# Altium PCB PCB_V2.0.PcbDoc
Units mil, origin at the board's own origin, x right, y up, seen from the top; angles counter-clockwise.
Board outline 1968.5 x 2362.2 mil, 4 copper layers (Top Layer, GND, VCC, Bottom Layer), stack 23.756 mil thick; 70 components, 46 nets, 287 pads, 117 vias.
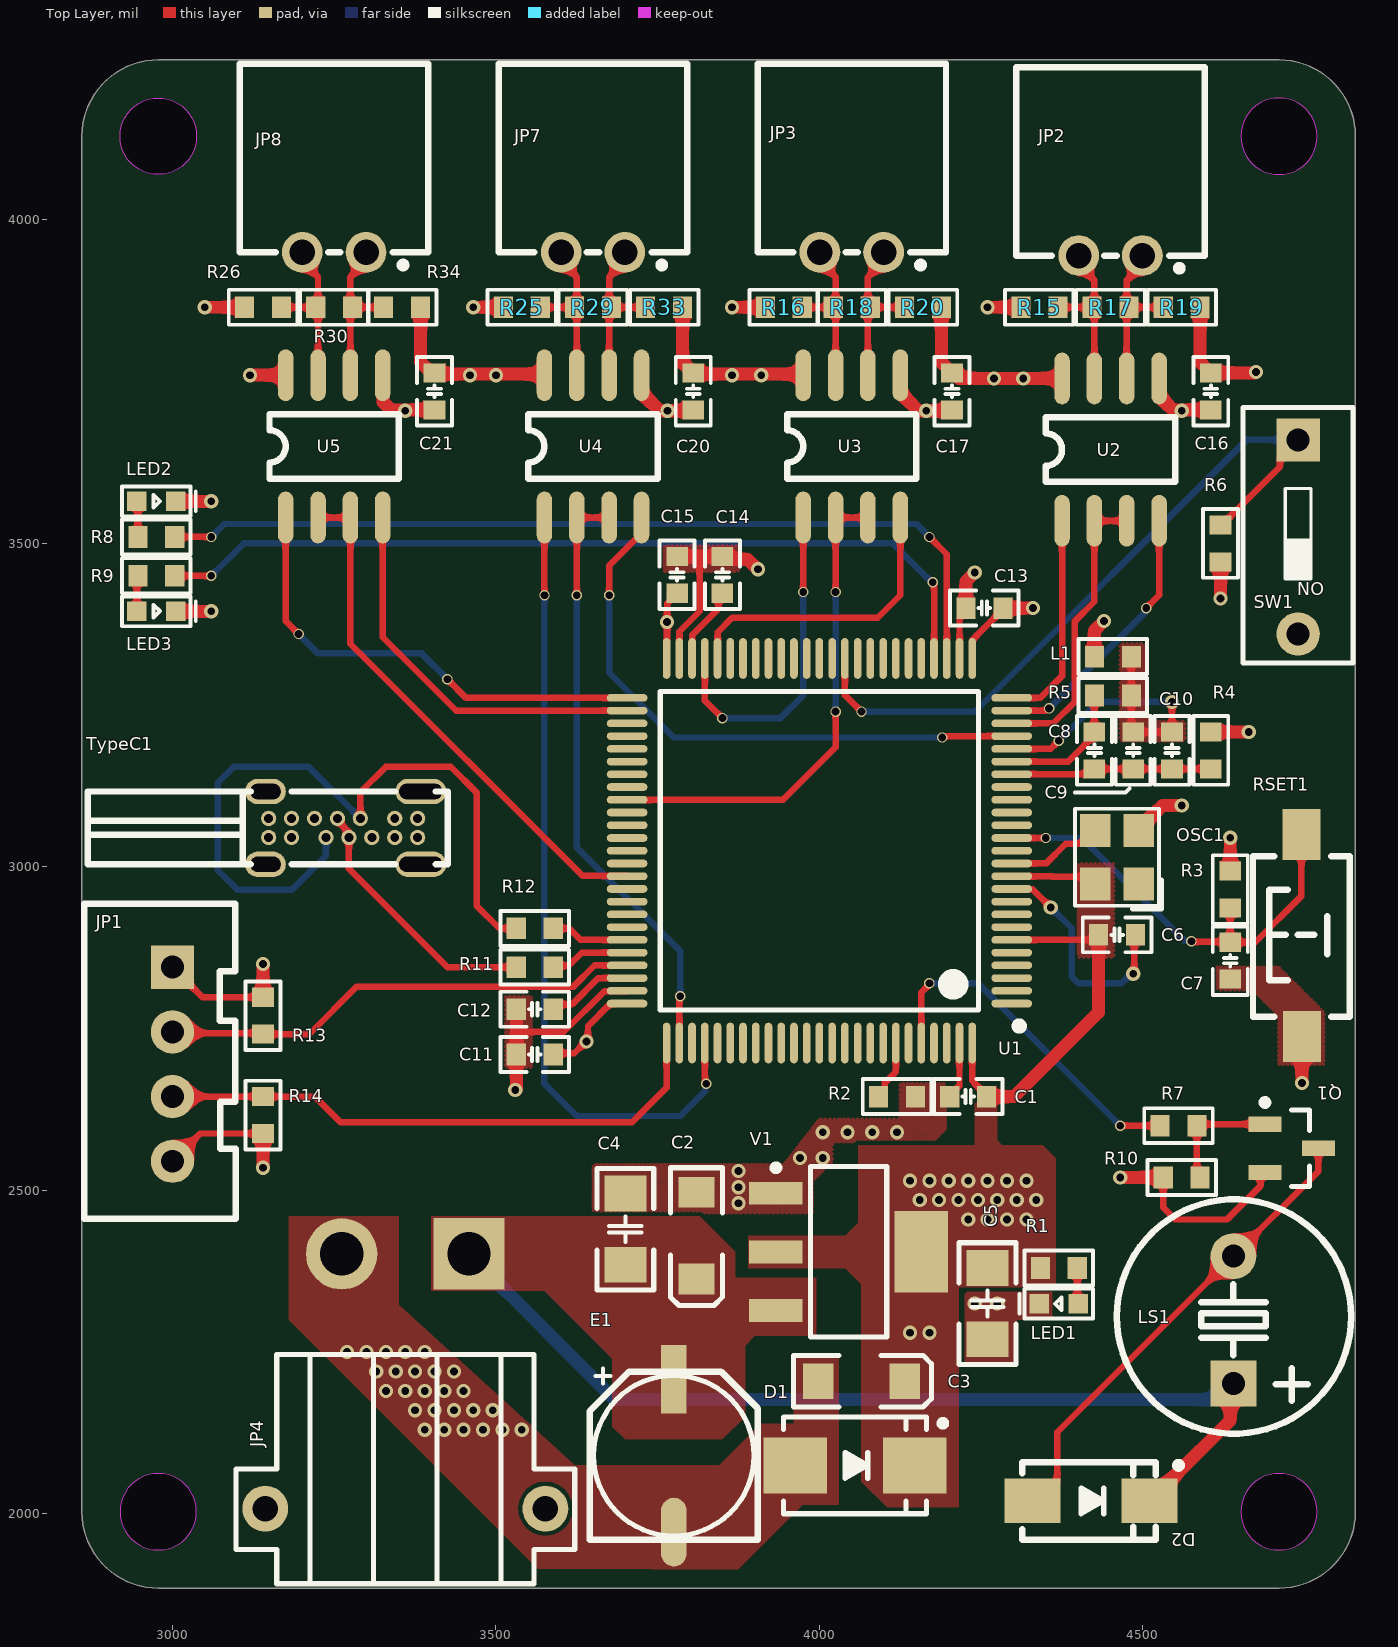
[diagram p0: Top Layer view]
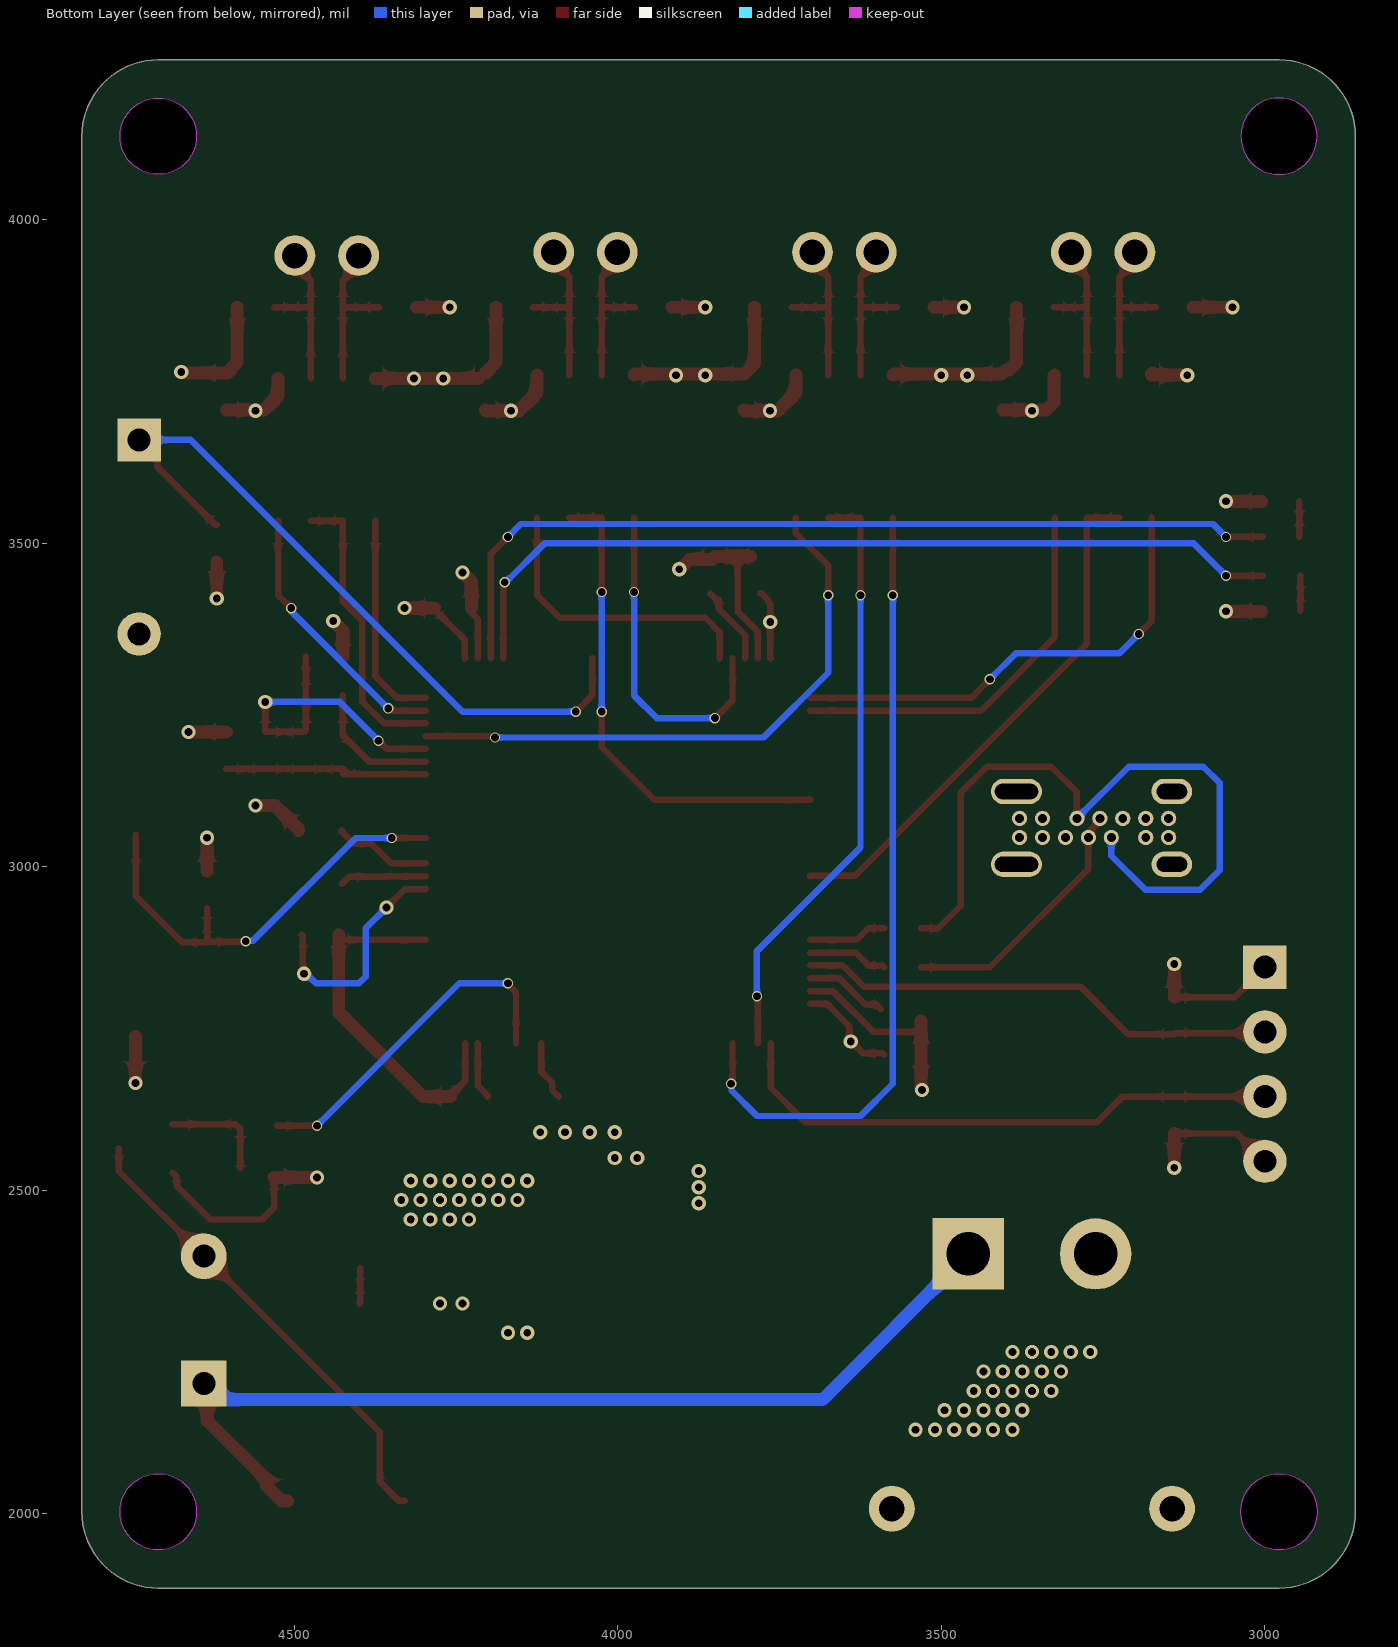
[diagram p1: Bottom Layer view, seen from below]
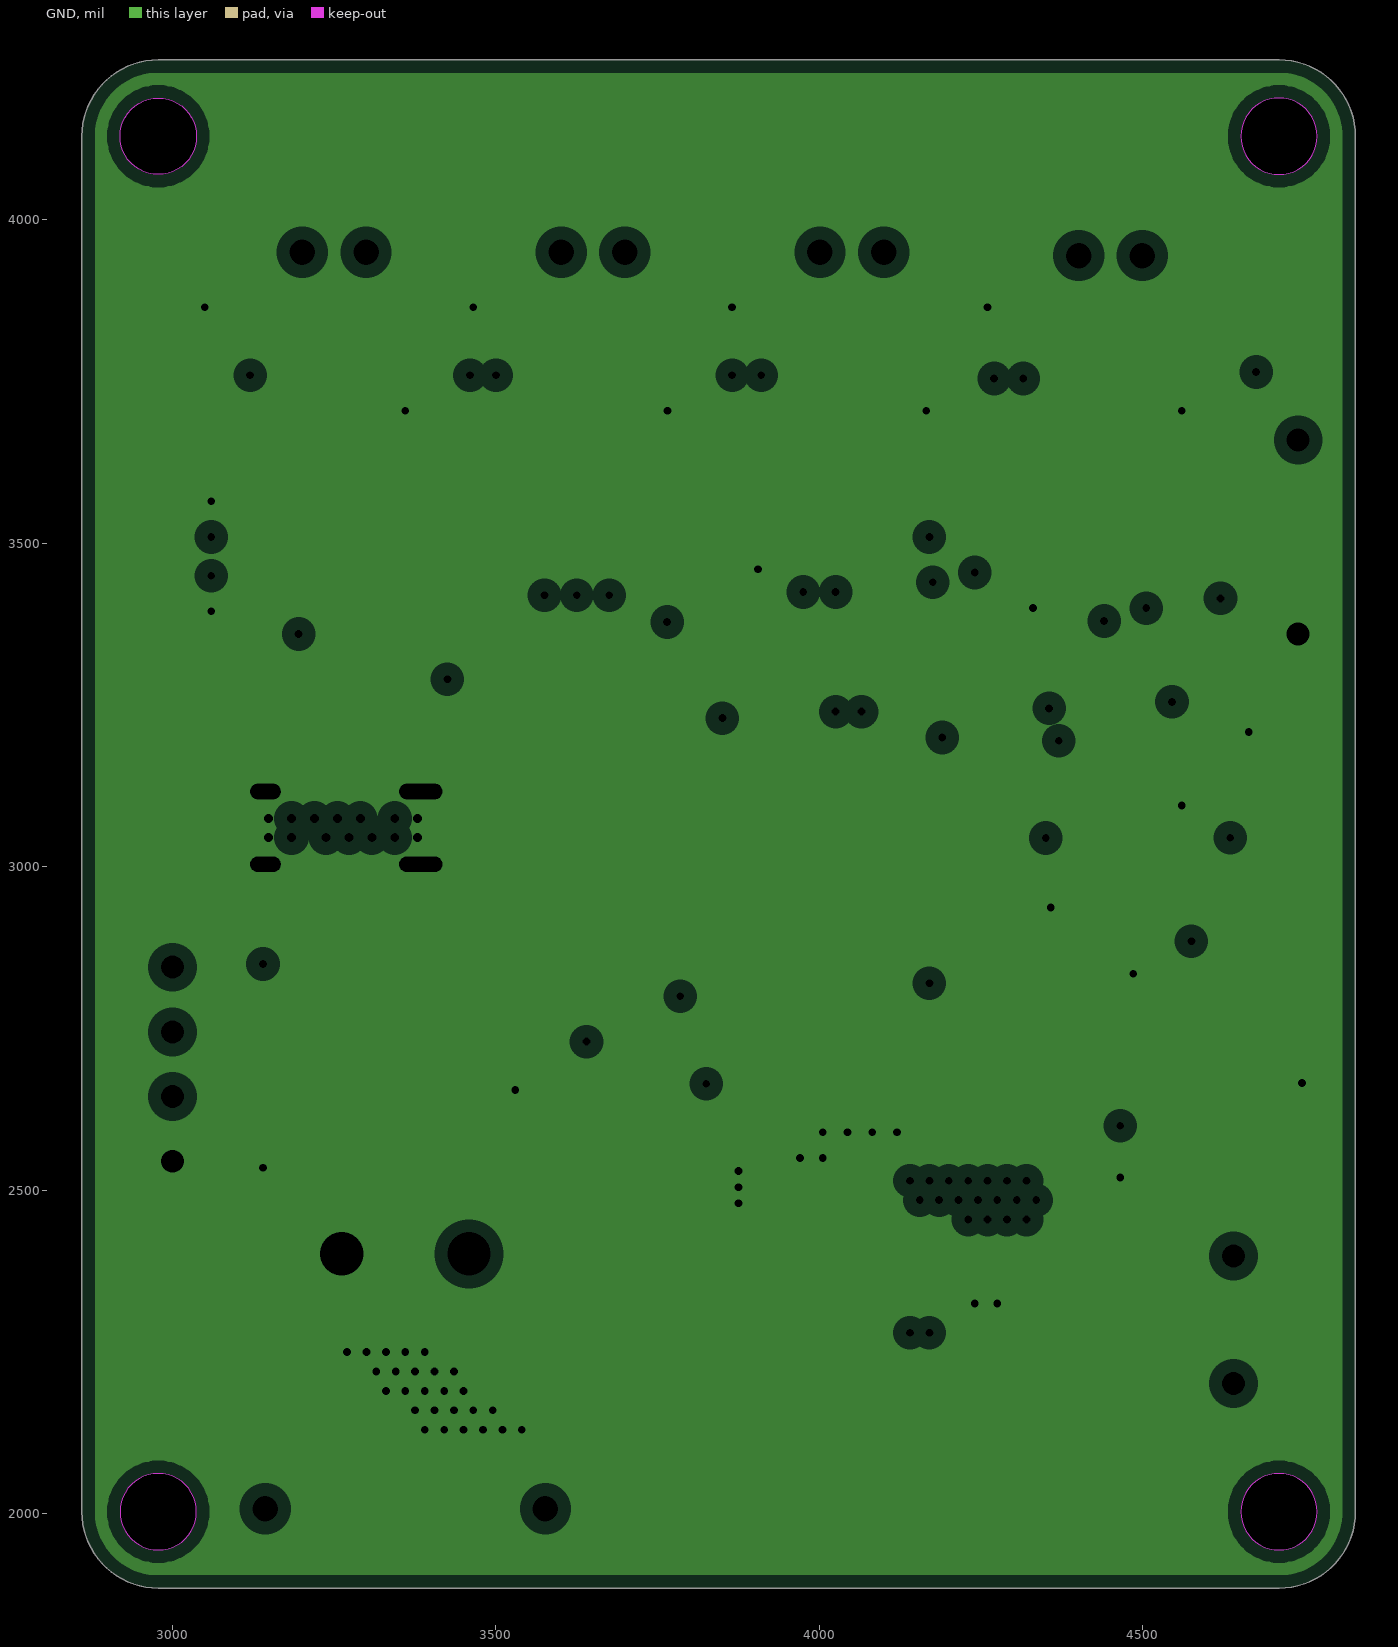
[diagram p2: GND, clearances drawn from the general rule]
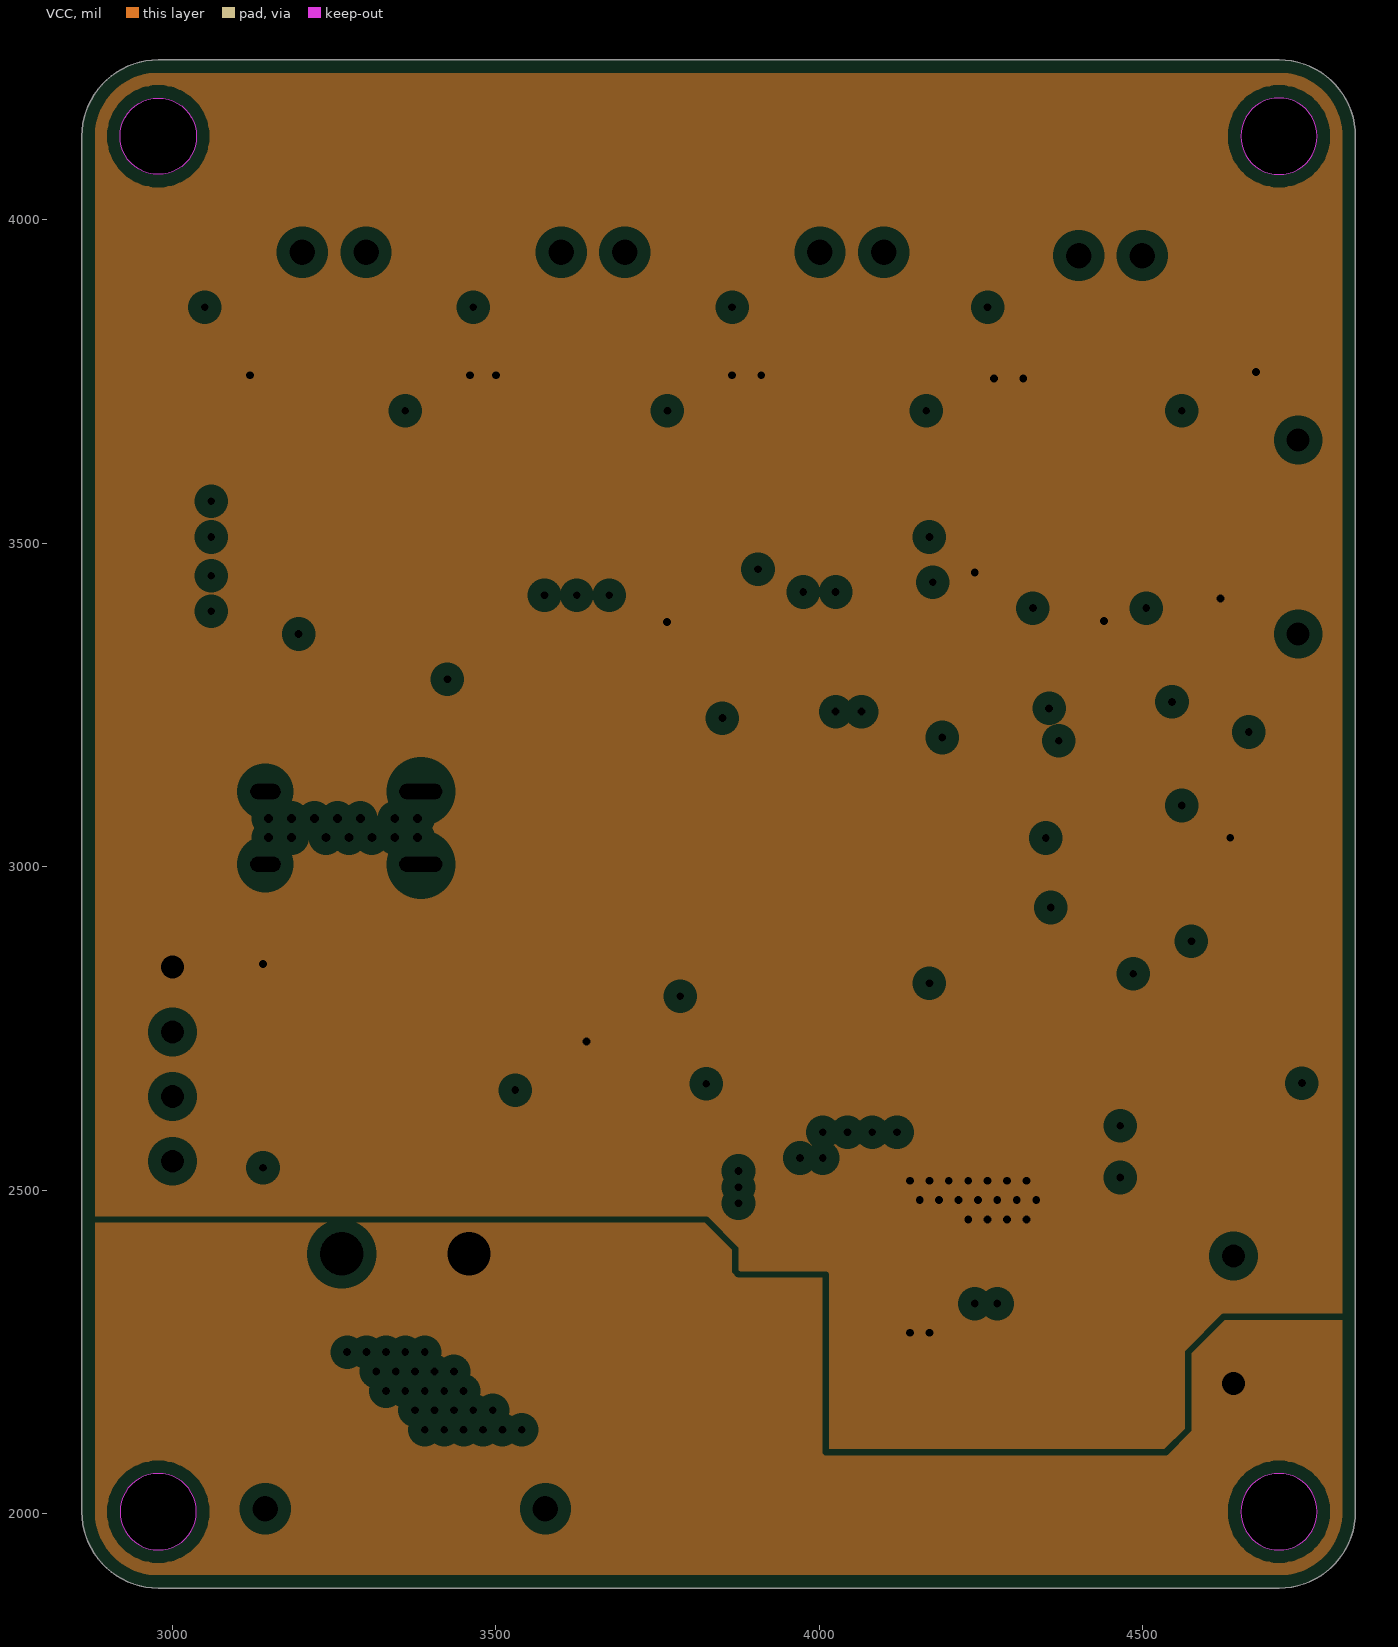
[diagram p3: VCC, clearances drawn from the general rule]
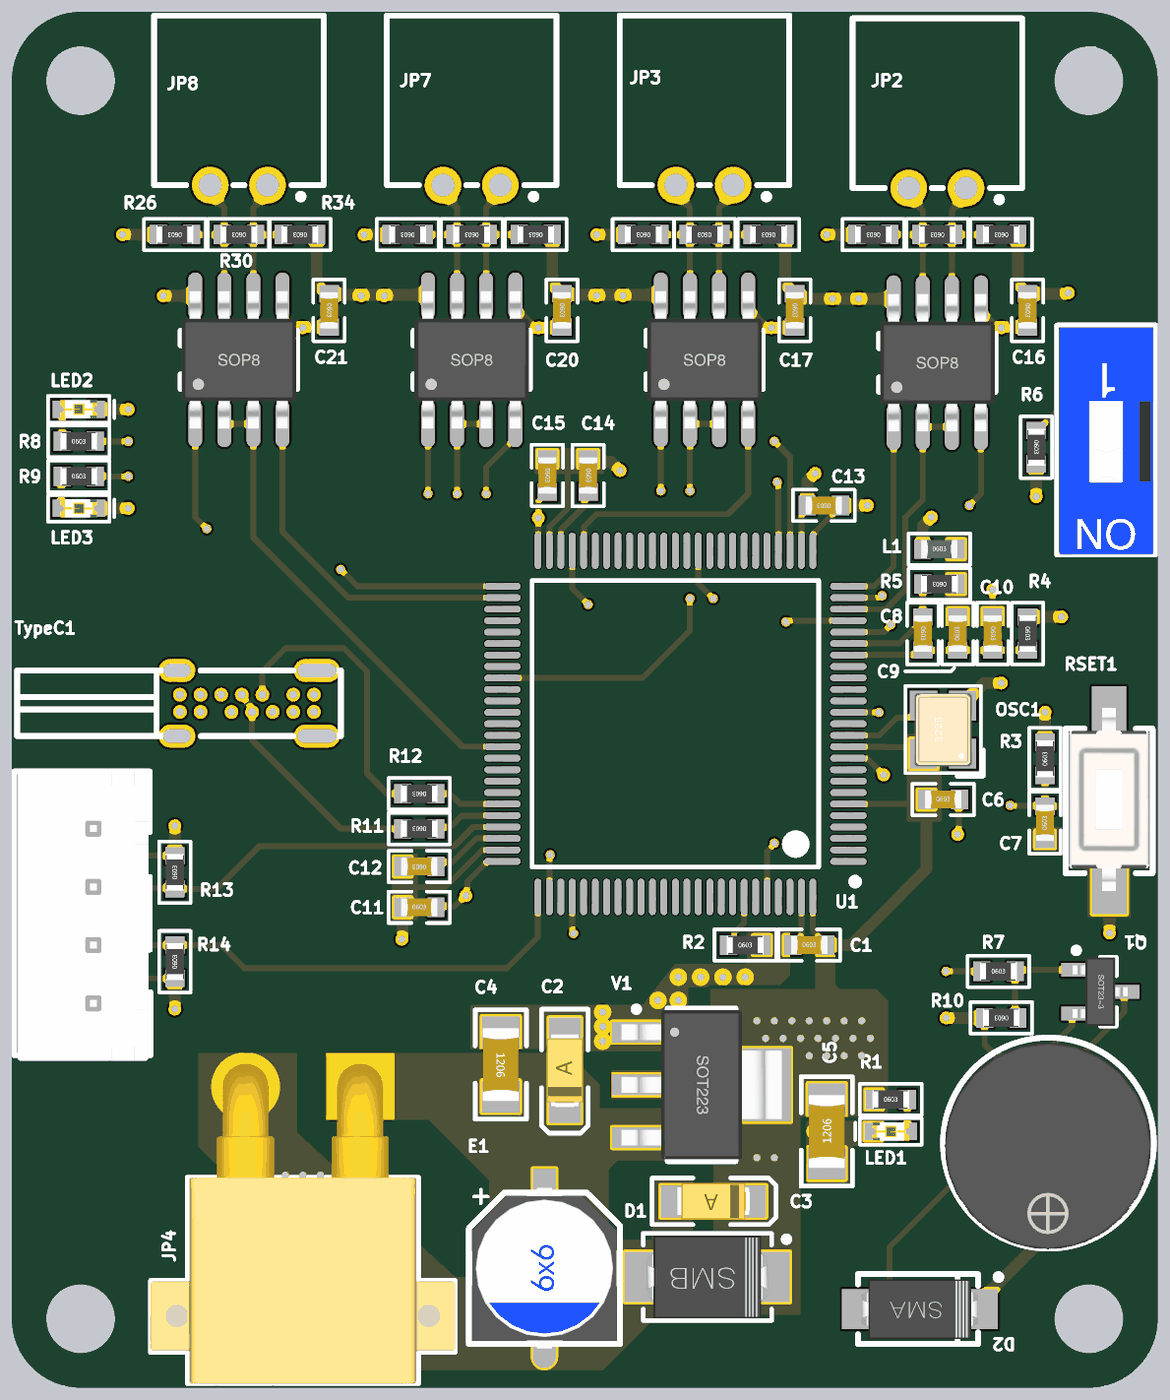
[diagram p4: 3D render of the assembled board from above, using the file's embedded part models]

## Layer stack, top to bottom
Top Solder: solder mask 0.4, Solder Resist, Dk 3.5
Top Layer: signal copper 1.4
Dielectric 2: prepreg 2.8, PP-006, Dk 4.1
GND: plane copper 1.378, net GND
Dielectric 1: dielectric 12.6, FR-4, Dk 4.8
VCC: plane copper 1.378, net (Multiple Nets)
Dielectric 3: prepreg 2.8, PP-006, Dk 4.1
Bottom Layer: signal copper 1.4
Bottom Solder: solder mask 0.4, Solder Resist, Dk 3.5

## Board outline
2859.99,2003.32 ccw(c2978.1,2003.32) 2978.1,1885.21 4710.38,1885.21 ccw(c4710.38,2003.32) 4828.49,2003.32 4828.49,4129.31 ccw(c4710.38,4129.31) 4710.38,4247.42 2978.1,4247.42 ccw(c2978.1,4129.31) 2859.99,4129.31
cut-out: 4651.33,2003.32 ccw(c4710.38,2003.32) 4710.38,1944.27 ccw(c4710.38,2003.32) 4769.44,2003.32 ccw(c4710.38,2003.32) 4710.38,2062.38 ccw(c4710.38,2003.32)
cut-out: 2919.04,2003.32 ccw(c2978.1,2003.32) 2978.1,1944.27 ccw(c2978.1,2003.32) 3037.15,2003.32 ccw(c2978.1,2003.32) 2978.1,2062.38 ccw(c2978.1,2003.32)
cut-out: 4651.33,4129.31 ccw(c4710.38,4129.31) 4710.38,4070.25 ccw(c4710.38,4129.31) 4769.44,4129.31 ccw(c4710.38,4129.31) 4710.38,4188.36 ccw(c4710.38,4129.31)
cut-out: 2978.1,4070.25 cw(c2978.1,4129.31) 2919.04,4129.31 cw(c2978.1,4129.31) 2978.1,4188.36 cw(c2978.1,4129.31) 3037.15,4129.31 cw(c2978.1,4129.31)

## Design rules (kind name [scope] priority, off if disabled: settings)
Clearance [All] p1: gap=6 ignorepadtopadclearanceinfootprint=TRUE
PlaneClearance [All] p1: clearance=20
PlaneConnect [All] p1: planeconnectstyle=Direct reliefexpansion=20 reliefentries=4 reliefconductorwidth=10 reliefairgap=10
PolygonConnect [All] p1: connectstyle=Direct reliefconductorwidth=10 reliefentries=4 polygonreliefangle="90 Angle" airgapwidth=10
RoutingVias [All] p1: holewidth=12 width=16 viastyle="Through Hole" minholewidth=12 minwidth=16 maxholewidth=80 maxwidth=120
SilkToSolderMaskClearance [IsPad] p1: minsilkscreentomaskgap=6 clearancetoexposedcopper=TRUE
SolderMaskExpansion [All] p1: expansion=4 istentingtop=FALSE
Width [All] p1: maxlimit=120 minlimit=10 preferedwidth=10
27 further rules are at their usual default settings.
